# KiCad board ludeled.kicad_pcb
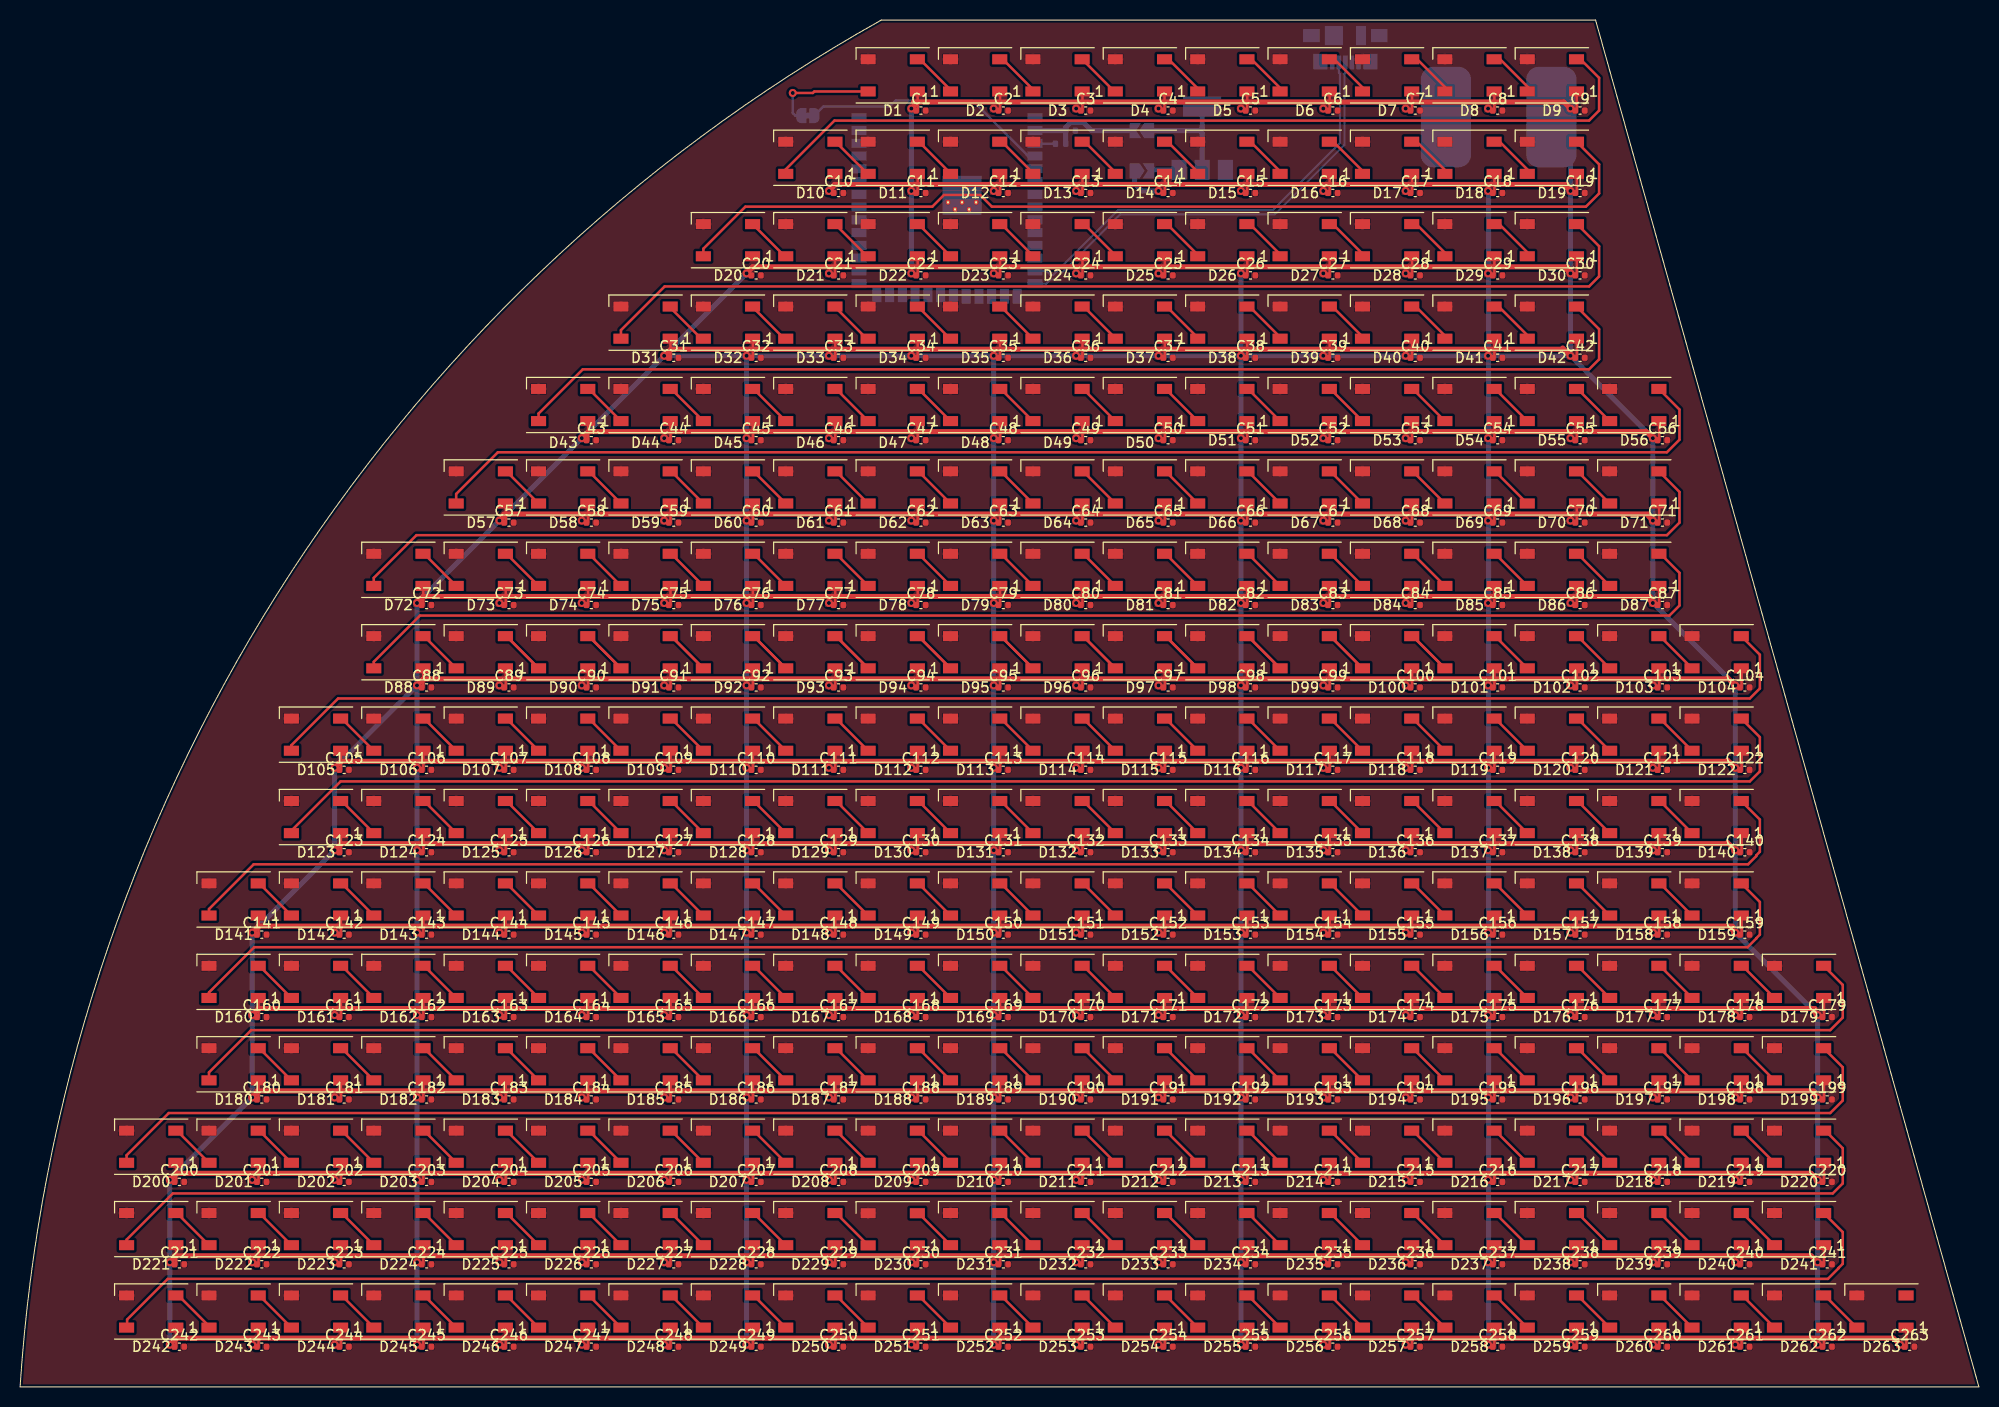
[diagram p0: board, top side]
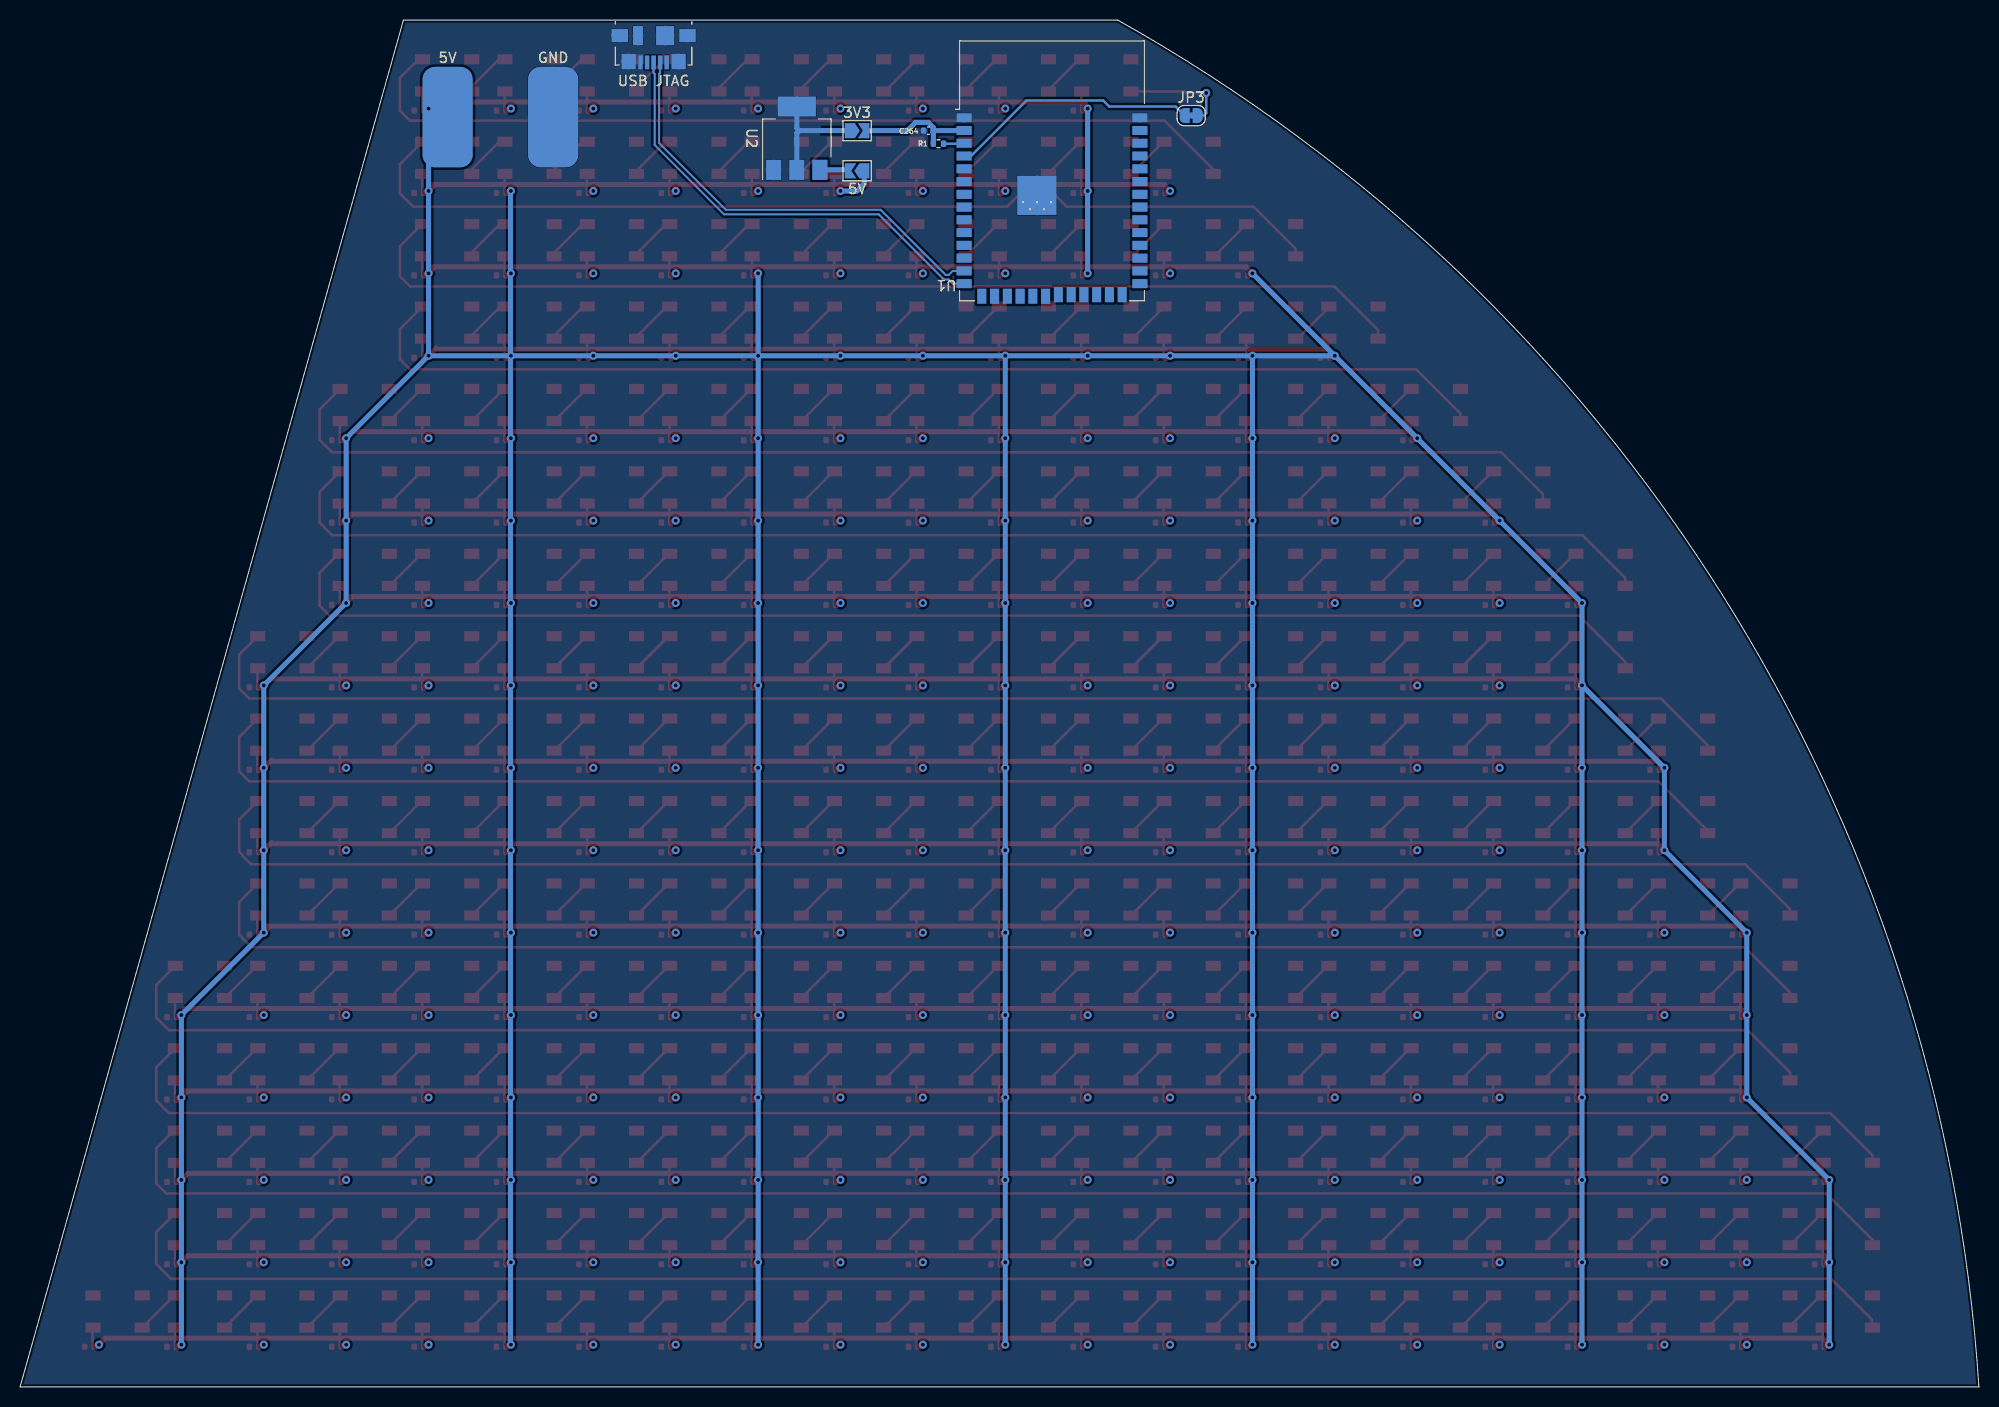
[diagram p1: board, bottom side, seen from below]

Outline 194.95 x 136 mm; copper layers: Top, Bottom. Coordinates in mm from the lower left corner of the outline.
Outline path: 0,0 arc(25.58,78.88) 85.7,136 156.8,136 194.95,0 0,0
Stack: Top 0.035mm / dielectric 1.51mm FR4 er 4.5 / Bottom 0.035mm

## Placement (name value [footprint] x y rotation side)
3V3  SolderJumper_2_Open  [SolderJumper-2_P1.3mm_Open_TrianglePad1.0x1.5mm]  111.65 125 180 bottom
5V  Conn_01x01_Female  [SolderWirePad_1x01_SMD_5x10mm]  152.4 126.35 180 bottom
5V#2  SolderJumper_2_Open  [SolderJumper-2_P1.3mm_Open_TrianglePad1.0x1.5mm]  111.65 121 0 bottom
C1  100nF  [C_0402_1005Metric]  89.65 127 0 top
C2  100nF  [C_0402_1005Metric]  97.85 127 0 top
C3  100nF  [C_0402_1005Metric]  106.05 127 0 top
C4  100nF  [C_0402_1005Metric]  114.25 127 0 top
C5  100nF  [C_0402_1005Metric]  122.45 127 0 top
C6  100nF  [C_0402_1005Metric]  130.65 127 0 top
C7  100nF  [C_0402_1005Metric]  138.85 127 0 top
C8  100nF  [C_0402_1005Metric]  147.05 127 0 top
C9  100nF  [C_0402_1005Metric]  155.25 127 0 top
C10  100nF  [C_0402_1005Metric]  81.45 118.8 0 top
C11  100nF  [C_0402_1005Metric]  89.65 118.8 0 top
C12  100nF  [C_0402_1005Metric]  97.85 118.8 0 top
C13  100nF  [C_0402_1005Metric]  106.05 118.8 0 top
C14  100nF  [C_0402_1005Metric]  114.25 118.8 0 top
C15  100nF  [C_0402_1005Metric]  122.45 118.8 0 top
C16  100nF  [C_0402_1005Metric]  130.65 118.8 0 top
C17  100nF  [C_0402_1005Metric]  138.85 118.8 0 top
C18  100nF  [C_0402_1005Metric]  147.05 118.8 0 top
C19  100nF  [C_0402_1005Metric]  155.25 118.8 0 top
C20  100nF  [C_0402_1005Metric]  73.25 110.6 0 top
C21  100nF  [C_0402_1005Metric]  81.45 110.6 0 top
C22  100nF  [C_0402_1005Metric]  89.65 110.6 0 top
C23  100nF  [C_0402_1005Metric]  97.85 110.6 0 top
C24  100nF  [C_0402_1005Metric]  106.05 110.6 0 top
C25  100nF  [C_0402_1005Metric]  114.25 110.6 0 top
C26  100nF  [C_0402_1005Metric]  122.45 110.6 0 top
C27  100nF  [C_0402_1005Metric]  130.65 110.6 0 top
C28  100nF  [C_0402_1005Metric]  138.85 110.6 0 top
C29  100nF  [C_0402_1005Metric]  147.05 110.6 0 top
C30  100nF  [C_0402_1005Metric]  155.25 110.6 0 top
C31  100nF  [C_0402_1005Metric]  65.05 102.4 0 top
C32  100nF  [C_0402_1005Metric]  73.25 102.4 0 top
C33  100nF  [C_0402_1005Metric]  81.45 102.4 0 top
C34  100nF  [C_0402_1005Metric]  89.65 102.4 0 top
C35  100nF  [C_0402_1005Metric]  97.85 102.4 0 top
C36  100nF  [C_0402_1005Metric]  106.05 102.4 0 top
C37  100nF  [C_0402_1005Metric]  114.25 102.4 0 top
C38  100nF  [C_0402_1005Metric]  122.45 102.4 0 top
C39  100nF  [C_0402_1005Metric]  130.65 102.4 0 top
C40  100nF  [C_0402_1005Metric]  138.85 102.4 0 top
C41  100nF  [C_0402_1005Metric]  147.05 102.4 0 top
C42  100nF  [C_0402_1005Metric]  155.25 102.4 0 top
C43  100nF  [C_0402_1005Metric]  56.85 94.2 0 top
C44  100nF  [C_0402_1005Metric]  65.05 94.2 0 top
C45  100nF  [C_0402_1005Metric]  73.25 94.2 0 top
C46  100nF  [C_0402_1005Metric]  81.45 94.2 0 top
C47  100nF  [C_0402_1005Metric]  89.65 94.2 0 top
C48  100nF  [C_0402_1005Metric]  97.85 94.2 0 top
C49  100nF  [C_0402_1005Metric]  106.05 94.2 0 top
C50  100nF  [C_0402_1005Metric]  114.25 94.2 0 top
C51  100nF  [C_0402_1005Metric]  122.45 94.2 0 top
C52  100nF  [C_0402_1005Metric]  130.65 94.2 0 top
C53  100nF  [C_0402_1005Metric]  138.85 94.2 0 top
C54  100nF  [C_0402_1005Metric]  147.05 94.2 0 top
C55  100nF  [C_0402_1005Metric]  155.25 94.2 0 top
C56  100nF  [C_0402_1005Metric]  163.45 94.2 0 top
C57  100nF  [C_0402_1005Metric]  48.65 86 0 top
C58  100nF  [C_0402_1005Metric]  56.85 86 0 top
C59  100nF  [C_0402_1005Metric]  65.05 86 0 top
C60  100nF  [C_0402_1005Metric]  73.25 86 0 top
C61  100nF  [C_0402_1005Metric]  81.45 86 0 top
C62  100nF  [C_0402_1005Metric]  89.65 86 0 top
C63  100nF  [C_0402_1005Metric]  97.85 86 0 top
C64  100nF  [C_0402_1005Metric]  106.05 86 0 top
C65  100nF  [C_0402_1005Metric]  114.25 86 0 top
C66  100nF  [C_0402_1005Metric]  122.45 86 0 top
C67  100nF  [C_0402_1005Metric]  130.65 86 0 top
C68  100nF  [C_0402_1005Metric]  138.85 86 0 top
C69  100nF  [C_0402_1005Metric]  147.05 86 0 top
C70  100nF  [C_0402_1005Metric]  155.25 86 0 top
C71  100nF  [C_0402_1005Metric]  163.45 86 0 top
C72  100nF  [C_0402_1005Metric]  40.45 77.8 0 top
C73  100nF  [C_0402_1005Metric]  48.65 77.8 0 top
C74  100nF  [C_0402_1005Metric]  56.85 77.8 0 top
C75  100nF  [C_0402_1005Metric]  65.05 77.8 0 top
C76  100nF  [C_0402_1005Metric]  73.25 77.8 0 top
C77  100nF  [C_0402_1005Metric]  81.45 77.8 0 top
C78  100nF  [C_0402_1005Metric]  89.65 77.8 0 top
C79  100nF  [C_0402_1005Metric]  97.85 77.8 0 top
C80  100nF  [C_0402_1005Metric]  106.05 77.8 0 top
C81  100nF  [C_0402_1005Metric]  114.25 77.8 0 top
C82  100nF  [C_0402_1005Metric]  122.45 77.8 0 top
C83  100nF  [C_0402_1005Metric]  130.65 77.8 0 top
C84  100nF  [C_0402_1005Metric]  138.85 77.8 0 top
C85  100nF  [C_0402_1005Metric]  147.05 77.8 0 top
C86  100nF  [C_0402_1005Metric]  155.25 77.8 0 top
C87  100nF  [C_0402_1005Metric]  163.45 77.8 0 top
C88  100nF  [C_0402_1005Metric]  40.45 69.6 0 top
C89  100nF  [C_0402_1005Metric]  48.65 69.6 0 top
C90  100nF  [C_0402_1005Metric]  56.85 69.6 0 top
C91  100nF  [C_0402_1005Metric]  65.05 69.6 0 top
C92  100nF  [C_0402_1005Metric]  73.25 69.6 0 top
C93  100nF  [C_0402_1005Metric]  81.45 69.6 0 top
C94  100nF  [C_0402_1005Metric]  89.65 69.6 0 top
C95  100nF  [C_0402_1005Metric]  97.85 69.6 0 top
C96  100nF  [C_0402_1005Metric]  106.05 69.6 0 top
C97  100nF  [C_0402_1005Metric]  114.25 69.6 0 top
C98  100nF  [C_0402_1005Metric]  122.45 69.6 0 top
C99  100nF  [C_0402_1005Metric]  130.65 69.6 0 top
C100  100nF  [C_0402_1005Metric]  138.85 69.6 0 top
C101  100nF  [C_0402_1005Metric]  147.05 69.6 0 top
C102  100nF  [C_0402_1005Metric]  155.25 69.6 0 top
C103  100nF  [C_0402_1005Metric]  163.45 69.6 0 top
C104  100nF  [C_0402_1005Metric]  171.65 69.6 0 top
C105  100nF  [C_0402_1005Metric]  32.25 61.4 0 top
C106  100nF  [C_0402_1005Metric]  40.45 61.4 0 top
C107  100nF  [C_0402_1005Metric]  48.65 61.4 0 top
C108  100nF  [C_0402_1005Metric]  56.85 61.4 0 top
C109  100nF  [C_0402_1005Metric]  65.05 61.4 0 top
C110  100nF  [C_0402_1005Metric]  73.25 61.4 0 top
C111  100nF  [C_0402_1005Metric]  81.45 61.4 0 top
C112  100nF  [C_0402_1005Metric]  89.65 61.4 0 top
C113  100nF  [C_0402_1005Metric]  97.85 61.4 0 top
C114  100nF  [C_0402_1005Metric]  106.05 61.4 0 top
C115  100nF  [C_0402_1005Metric]  114.25 61.4 0 top
C116  100nF  [C_0402_1005Metric]  122.45 61.4 0 top
C117  100nF  [C_0402_1005Metric]  130.65 61.4 0 top
C118  100nF  [C_0402_1005Metric]  138.85 61.4 0 top
C119  100nF  [C_0402_1005Metric]  147.05 61.4 0 top
C120  100nF  [C_0402_1005Metric]  155.25 61.4 0 top
C121  100nF  [C_0402_1005Metric]  163.45 61.4 0 top
C122  100nF  [C_0402_1005Metric]  171.65 61.4 0 top
C123  100nF  [C_0402_1005Metric]  32.25 53.2 0 top
C124  100nF  [C_0402_1005Metric]  40.45 53.2 0 top
C125  100nF  [C_0402_1005Metric]  48.65 53.2 0 top
C126  100nF  [C_0402_1005Metric]  56.85 53.2 0 top
C127  100nF  [C_0402_1005Metric]  65.05 53.2 0 top
C128  100nF  [C_0402_1005Metric]  73.25 53.2 0 top
C129  100nF  [C_0402_1005Metric]  81.45 53.2 0 top
C130  100nF  [C_0402_1005Metric]  89.65 53.2 0 top
C131  100nF  [C_0402_1005Metric]  97.85 53.2 0 top
C132  100nF  [C_0402_1005Metric]  106.05 53.2 0 top
C133  100nF  [C_0402_1005Metric]  114.25 53.2 0 top
C134  100nF  [C_0402_1005Metric]  122.45 53.2 0 top
C135  100nF  [C_0402_1005Metric]  130.65 53.2 0 top
C136  100nF  [C_0402_1005Metric]  138.85 53.2 0 top
C137  100nF  [C_0402_1005Metric]  147.05 53.2 0 top
C138  100nF  [C_0402_1005Metric]  155.25 53.2 0 top
C139  100nF  [C_0402_1005Metric]  163.45 53.2 0 top
C140  100nF  [C_0402_1005Metric]  171.65 53.2 0 top
C141  100nF  [C_0402_1005Metric]  24.05 45 0 top
C142  100nF  [C_0402_1005Metric]  32.25 45 0 top
C143  100nF  [C_0402_1005Metric]  40.45 45 0 top
C144  100nF  [C_0402_1005Metric]  48.65 45 0 top
C145  100nF  [C_0402_1005Metric]  56.85 45 0 top
C146  100nF  [C_0402_1005Metric]  65.05 45 0 top
C147  100nF  [C_0402_1005Metric]  73.25 45 0 top
C148  100nF  [C_0402_1005Metric]  81.45 45 0 top
C149  100nF  [C_0402_1005Metric]  89.65 45 0 top
C150  100nF  [C_0402_1005Metric]  97.85 45 0 top
C151  100nF  [C_0402_1005Metric]  106.05 45 0 top
C152  100nF  [C_0402_1005Metric]  114.25 45 0 top
C153  100nF  [C_0402_1005Metric]  122.45 45 0 top
C154  100nF  [C_0402_1005Metric]  130.65 45 0 top
C155  100nF  [C_0402_1005Metric]  138.85 45 0 top
C156  100nF  [C_0402_1005Metric]  147.05 45 0 top
C157  100nF  [C_0402_1005Metric]  155.25 45 0 top
C158  100nF  [C_0402_1005Metric]  163.45 45 0 top
C159  100nF  [C_0402_1005Metric]  171.65 45 0 top
C160  100nF  [C_0402_1005Metric]  24.05 36.8 0 top
C161  100nF  [C_0402_1005Metric]  32.25 36.8 0 top
C162  100nF  [C_0402_1005Metric]  40.45 36.8 0 top
C163  100nF  [C_0402_1005Metric]  48.65 36.8 0 top
C164  100nF  [C_0402_1005Metric]  56.85 36.8 0 top
C165  100nF  [C_0402_1005Metric]  65.05 36.8 0 top
C166  100nF  [C_0402_1005Metric]  73.25 36.8 0 top
C167  100nF  [C_0402_1005Metric]  81.45 36.8 0 top
C168  100nF  [C_0402_1005Metric]  89.65 36.8 0 top
C169  100nF  [C_0402_1005Metric]  97.85 36.8 0 top
C170  100nF  [C_0402_1005Metric]  106.05 36.8 0 top
C171  100nF  [C_0402_1005Metric]  114.25 36.8 0 top
C172  100nF  [C_0402_1005Metric]  122.45 36.8 0 top
C173  100nF  [C_0402_1005Metric]  130.65 36.8 0 top
C174  100nF  [C_0402_1005Metric]  138.85 36.8 0 top
C175  100nF  [C_0402_1005Metric]  147.05 36.8 0 top
C176  100nF  [C_0402_1005Metric]  155.25 36.8 0 top
C177  100nF  [C_0402_1005Metric]  163.45 36.8 0 top
C178  100nF  [C_0402_1005Metric]  171.65 36.8 0 top
C179  100nF  [C_0402_1005Metric]  179.85 36.8 0 top
C180  100nF  [C_0402_1005Metric]  24.05 28.6 0 top
C181  100nF  [C_0402_1005Metric]  32.25 28.6 0 top
C182  100nF  [C_0402_1005Metric]  40.45 28.6 0 top
C183  100nF  [C_0402_1005Metric]  48.65 28.6 0 top
C184  100nF  [C_0402_1005Metric]  56.85 28.6 0 top
C185  100nF  [C_0402_1005Metric]  65.05 28.6 0 top
C186  100nF  [C_0402_1005Metric]  73.25 28.6 0 top
C187  100nF  [C_0402_1005Metric]  81.45 28.6 0 top
C188  100nF  [C_0402_1005Metric]  89.65 28.6 0 top
C189  100nF  [C_0402_1005Metric]  97.85 28.6 0 top
C190  100nF  [C_0402_1005Metric]  106.05 28.6 0 top
C191  100nF  [C_0402_1005Metric]  114.25 28.6 0 top
C192  100nF  [C_0402_1005Metric]  122.45 28.6 0 top
C193  100nF  [C_0402_1005Metric]  130.65 28.6 0 top
C194  100nF  [C_0402_1005Metric]  138.85 28.6 0 top
C195  100nF  [C_0402_1005Metric]  147.05 28.6 0 top
C196  100nF  [C_0402_1005Metric]  155.25 28.6 0 top
C197  100nF  [C_0402_1005Metric]  163.45 28.6 0 top
C198  100nF  [C_0402_1005Metric]  171.65 28.6 0 top
C199  100nF  [C_0402_1005Metric]  179.85 28.6 0 top
C200  100nF  [C_0402_1005Metric]  15.85 20.4 0 top
C201  100nF  [C_0402_1005Metric]  24.05 20.4 0 top
C202  100nF  [C_0402_1005Metric]  32.25 20.4 0 top
C203  100nF  [C_0402_1005Metric]  40.45 20.4 0 top
C204  100nF  [C_0402_1005Metric]  48.65 20.4 0 top
C205  100nF  [C_0402_1005Metric]  56.85 20.4 0 top
C206  100nF  [C_0402_1005Metric]  65.05 20.4 0 top
C207  100nF  [C_0402_1005Metric]  73.25 20.4 0 top
C208  100nF  [C_0402_1005Metric]  81.45 20.4 0 top
C209  100nF  [C_0402_1005Metric]  89.65 20.4 0 top
C210  100nF  [C_0402_1005Metric]  97.85 20.4 0 top
C211  100nF  [C_0402_1005Metric]  106.05 20.4 0 top
C212  100nF  [C_0402_1005Metric]  114.25 20.4 0 top
C213  100nF  [C_0402_1005Metric]  122.45 20.4 0 top
C214  100nF  [C_0402_1005Metric]  130.65 20.4 0 top
C215  100nF  [C_0402_1005Metric]  138.85 20.4 0 top
C216  100nF  [C_0402_1005Metric]  147.05 20.4 0 top
C217  100nF  [C_0402_1005Metric]  155.25 20.4 0 top
C218  100nF  [C_0402_1005Metric]  163.45 20.4 0 top
C219  100nF  [C_0402_1005Metric]  171.65 20.4 0 top
C220  100nF  [C_0402_1005Metric]  179.85 20.4 0 top
C221  100nF  [C_0402_1005Metric]  15.85 12.2 0 top
C222  100nF  [C_0402_1005Metric]  24.05 12.2 0 top
C223  100nF  [C_0402_1005Metric]  32.25 12.2 0 top
C224  100nF  [C_0402_1005Metric]  40.45 12.2 0 top
C225  100nF  [C_0402_1005Metric]  48.65 12.2 0 top
C226  100nF  [C_0402_1005Metric]  56.85 12.2 0 top
C227  100nF  [C_0402_1005Metric]  65.05 12.2 0 top
C228  100nF  [C_0402_1005Metric]  73.25 12.2 0 top
C229  100nF  [C_0402_1005Metric]  81.45 12.2 0 top
C230  100nF  [C_0402_1005Metric]  89.65 12.2 0 top
C231  100nF  [C_0402_1005Metric]  97.85 12.2 0 top
C232  100nF  [C_0402_1005Metric]  106.05 12.2 0 top
C233  100nF  [C_0402_1005Metric]  114.25 12.2 0 top
C234  100nF  [C_0402_1005Metric]  122.45 12.2 0 top
C235  100nF  [C_0402_1005Metric]  130.65 12.2 0 top
C236  100nF  [C_0402_1005Metric]  138.85 12.2 0 top
C237  100nF  [C_0402_1005Metric]  147.05 12.2 0 top
C238  100nF  [C_0402_1005Metric]  155.25 12.2 0 top
C239  100nF  [C_0402_1005Metric]  163.45 12.2 0 top
C240  100nF  [C_0402_1005Metric]  171.65 12.2 0 top
C241  100nF  [C_0402_1005Metric]  179.85 12.2 0 top
C242  100nF  [C_0402_1005Metric]  15.85 4 0 top
C243  100nF  [C_0402_1005Metric]  24.05 4 0 top
C244  100nF  [C_0402_1005Metric]  32.25 4 0 top
C245  100nF  [C_0402_1005Metric]  40.45 4 0 top
C246  100nF  [C_0402_1005Metric]  48.65 4 0 top
C247  100nF  [C_0402_1005Metric]  56.85 4 0 top
C248  100nF  [C_0402_1005Metric]  65.05 4 0 top
C249  100nF  [C_0402_1005Metric]  73.25 4 0 top
C250  100nF  [C_0402_1005Metric]  81.45 4 0 top
C251  100nF  [C_0402_1005Metric]  89.65 4 0 top
C252  100nF  [C_0402_1005Metric]  97.85 4 0 top
C253  100nF  [C_0402_1005Metric]  106.05 4 0 top
C254  100nF  [C_0402_1005Metric]  114.25 4 0 top
C255  100nF  [C_0402_1005Metric]  122.45 4 0 top
C256  100nF  [C_0402_1005Metric]  130.65 4 0 top
C257  100nF  [C_0402_1005Metric]  138.85 4 0 top
C258  100nF  [C_0402_1005Metric]  147.05 4 0 top
C259  100nF  [C_0402_1005Metric]  155.25 4 0 top
C260  100nF  [C_0402_1005Metric]  163.45 4 0 top
C261  100nF  [C_0402_1005Metric]  171.65 4 0 top
C262  100nF  [C_0402_1005Metric]  179.85 4 0 top
C263  100nF  [C_0402_1005Metric]  188.05 4 0 top
C264  10uF  [C_0402_1005Metric]  104.55 125 0 bottom
D1  WS2812B  [LED_WS2812B_PLCC4_5.0x5.0mm_P3.2mm]  86.85 130.5 180 top
D2  WS2812B  [LED_WS2812B_PLCC4_5.0x5.0mm_P3.2mm]  95.05 130.5 180 top
D3  WS2812B  [LED_WS2812B_PLCC4_5.0x5.0mm_P3.2mm]  103.25 130.5 180 top
D4  WS2812B  [LED_WS2812B_PLCC4_5.0x5.0mm_P3.2mm]  111.45 130.5 180 top
D5  WS2812B  [LED_WS2812B_PLCC4_5.0x5.0mm_P3.2mm]  119.65 130.5 180 top
D6  WS2812B  [LED_WS2812B_PLCC4_5.0x5.0mm_P3.2mm]  127.85 130.5 180 top
D7  WS2812B  [LED_WS2812B_PLCC4_5.0x5.0mm_P3.2mm]  136.05 130.5 180 top
D8  WS2812B  [LED_WS2812B_PLCC4_5.0x5.0mm_P3.2mm]  144.25 130.5 180 top
D9  WS2812B  [LED_WS2812B_PLCC4_5.0x5.0mm_P3.2mm]  152.45 130.5 180 top
D10  WS2812B  [LED_WS2812B_PLCC4_5.0x5.0mm_P3.2mm]  78.65 122.3 180 top
D11  WS2812B  [LED_WS2812B_PLCC4_5.0x5.0mm_P3.2mm]  86.85 122.3 180 top
D12  WS2812B  [LED_WS2812B_PLCC4_5.0x5.0mm_P3.2mm]  95.05 122.3 180 top
D13  WS2812B  [LED_WS2812B_PLCC4_5.0x5.0mm_P3.2mm]  103.25 122.3 180 top
D14  WS2812B  [LED_WS2812B_PLCC4_5.0x5.0mm_P3.2mm]  111.45 122.3 180 top
D15  WS2812B  [LED_WS2812B_PLCC4_5.0x5.0mm_P3.2mm]  119.65 122.3 180 top
D16  WS2812B  [LED_WS2812B_PLCC4_5.0x5.0mm_P3.2mm]  127.85 122.3 180 top
D17  WS2812B  [LED_WS2812B_PLCC4_5.0x5.0mm_P3.2mm]  136.05 122.3 180 top
D18  WS2812B  [LED_WS2812B_PLCC4_5.0x5.0mm_P3.2mm]  144.25 122.3 180 top
D19  WS2812B  [LED_WS2812B_PLCC4_5.0x5.0mm_P3.2mm]  152.45 122.3 180 top
D20  WS2812B  [LED_WS2812B_PLCC4_5.0x5.0mm_P3.2mm]  70.45 114.1 180 top
D21  WS2812B  [LED_WS2812B_PLCC4_5.0x5.0mm_P3.2mm]  78.65 114.1 180 top
D22  WS2812B  [LED_WS2812B_PLCC4_5.0x5.0mm_P3.2mm]  86.85 114.1 180 top
D23  WS2812B  [LED_WS2812B_PLCC4_5.0x5.0mm_P3.2mm]  95.05 114.1 180 top
D24  WS2812B  [LED_WS2812B_PLCC4_5.0x5.0mm_P3.2mm]  103.25 114.1 180 top
D25  WS2812B  [LED_WS2812B_PLCC4_5.0x5.0mm_P3.2mm]  111.45 114.1 180 top
D26  WS2812B  [LED_WS2812B_PLCC4_5.0x5.0mm_P3.2mm]  119.65 114.1 180 top
D27  WS2812B  [LED_WS2812B_PLCC4_5.0x5.0mm_P3.2mm]  127.85 114.1 180 top
D28  WS2812B  [LED_WS2812B_PLCC4_5.0x5.0mm_P3.2mm]  136.05 114.1 180 top
D29  WS2812B  [LED_WS2812B_PLCC4_5.0x5.0mm_P3.2mm]  144.25 114.1 180 top
D30  WS2812B  [LED_WS2812B_PLCC4_5.0x5.0mm_P3.2mm]  152.45 114.1 180 top
D31  WS2812B  [LED_WS2812B_PLCC4_5.0x5.0mm_P3.2mm]  62.25 105.9 180 top
D32  WS2812B  [LED_WS2812B_PLCC4_5.0x5.0mm_P3.2mm]  70.45 105.9 180 top
D33  WS2812B  [LED_WS2812B_PLCC4_5.0x5.0mm_P3.2mm]  78.65 105.9 180 top
D34  WS2812B  [LED_WS2812B_PLCC4_5.0x5.0mm_P3.2mm]  86.85 105.9 180 top
D35  WS2812B  [LED_WS2812B_PLCC4_5.0x5.0mm_P3.2mm]  95.05 105.9 180 top
D36  WS2812B  [LED_WS2812B_PLCC4_5.0x5.0mm_P3.2mm]  103.25 105.9 180 top
D37  WS2812B  [LED_WS2812B_PLCC4_5.0x5.0mm_P3.2mm]  111.45 105.9 180 top
D38  WS2812B  [LED_WS2812B_PLCC4_5.0x5.0mm_P3.2mm]  119.65 105.9 180 top
D39  WS2812B  [LED_WS2812B_PLCC4_5.0x5.0mm_P3.2mm]  127.85 105.9 180 top
D40  WS2812B  [LED_WS2812B_PLCC4_5.0x5.0mm_P3.2mm]  136.05 105.9 180 top
D41  WS2812B  [LED_WS2812B_PLCC4_5.0x5.0mm_P3.2mm]  144.25 105.9 180 top
D42  WS2812B  [LED_WS2812B_PLCC4_5.0x5.0mm_P3.2mm]  152.45 105.9 180 top
D43  WS2812B  [LED_WS2812B_PLCC4_5.0x5.0mm_P3.2mm]  54.05 97.7 180 top
D44  WS2812B  [LED_WS2812B_PLCC4_5.0x5.0mm_P3.2mm]  62.25 97.7 180 top
D45  WS2812B  [LED_WS2812B_PLCC4_5.0x5.0mm_P3.2mm]  70.45 97.7 180 top
D46  WS2812B  [LED_WS2812B_PLCC4_5.0x5.0mm_P3.2mm]  78.65 97.7 180 top
D47  WS2812B  [LED_WS2812B_PLCC4_5.0x5.0mm_P3.2mm]  86.85 97.7 180 top
D48  WS2812B  [LED_WS2812B_PLCC4_5.0x5.0mm_P3.2mm]  95.05 97.7 180 top
D49  WS2812B  [LED_WS2812B_PLCC4_5.0x5.0mm_P3.2mm]  103.25 97.7 180 top
D50  WS2812B  [LED_WS2812B_PLCC4_5.0x5.0mm_P3.2mm]  111.45 97.7 180 top
D51  WS2812B  [LED_WS2812B_PLCC4_5.0x5.0mm_P3.2mm]  119.65 97.7 180 top
D52  WS2812B  [LED_WS2812B_PLCC4_5.0x5.0mm_P3.2mm]  127.85 97.7 180 top
D53  WS2812B  [LED_WS2812B_PLCC4_5.0x5.0mm_P3.2mm]  136.05 97.7 180 top
D54  WS2812B  [LED_WS2812B_PLCC4_5.0x5.0mm_P3.2mm]  144.25 97.7 180 top
D55  WS2812B  [LED_WS2812B_PLCC4_5.0x5.0mm_P3.2mm]  152.45 97.7 180 top
D56  WS2812B  [LED_WS2812B_PLCC4_5.0x5.0mm_P3.2mm]  160.65 97.7 180 top
D57  WS2812B  [LED_WS2812B_PLCC4_5.0x5.0mm_P3.2mm]  45.85 89.5 180 top
D58  WS2812B  [LED_WS2812B_PLCC4_5.0x5.0mm_P3.2mm]  54.05 89.5 180 top
D59  WS2812B  [LED_WS2812B_PLCC4_5.0x5.0mm_P3.2mm]  62.25 89.5 180 top
D60  WS2812B  [LED_WS2812B_PLCC4_5.0x5.0mm_P3.2mm]  70.45 89.5 180 top
D61  WS2812B  [LED_WS2812B_PLCC4_5.0x5.0mm_P3.2mm]  78.65 89.5 180 top
D62  WS2812B  [LED_WS2812B_PLCC4_5.0x5.0mm_P3.2mm]  86.85 89.5 180 top
D63  WS2812B  [LED_WS2812B_PLCC4_5.0x5.0mm_P3.2mm]  95.05 89.5 180 top
D64  WS2812B  [LED_WS2812B_PLCC4_5.0x5.0mm_P3.2mm]  103.25 89.5 180 top
D65  WS2812B  [LED_WS2812B_PLCC4_5.0x5.0mm_P3.2mm]  111.45 89.5 180 top
D66  WS2812B  [LED_WS2812B_PLCC4_5.0x5.0mm_P3.2mm]  119.65 89.5 180 top
D67  WS2812B  [LED_WS2812B_PLCC4_5.0x5.0mm_P3.2mm]  127.85 89.5 180 top
D68  WS2812B  [LED_WS2812B_PLCC4_5.0x5.0mm_P3.2mm]  136.05 89.5 180 top
D69  WS2812B  [LED_WS2812B_PLCC4_5.0x5.0mm_P3.2mm]  144.25 89.5 180 top
D70  WS2812B  [LED_WS2812B_PLCC4_5.0x5.0mm_P3.2mm]  152.45 89.5 180 top
D71  WS2812B  [LED_WS2812B_PLCC4_5.0x5.0mm_P3.2mm]  160.65 89.5 180 top
D72  WS2812B  [LED_WS2812B_PLCC4_5.0x5.0mm_P3.2mm]  37.65 81.3 180 top
D73  WS2812B  [LED_WS2812B_PLCC4_5.0x5.0mm_P3.2mm]  45.85 81.3 180 top
D74  WS2812B  [LED_WS2812B_PLCC4_5.0x5.0mm_P3.2mm]  54.05 81.3 180 top
D75  WS2812B  [LED_WS2812B_PLCC4_5.0x5.0mm_P3.2mm]  62.25 81.3 180 top
D76  WS2812B  [LED_WS2812B_PLCC4_5.0x5.0mm_P3.2mm]  70.45 81.3 180 top
D77  WS2812B  [LED_WS2812B_PLCC4_5.0x5.0mm_P3.2mm]  78.65 81.3 180 top
D78  WS2812B  [LED_WS2812B_PLCC4_5.0x5.0mm_P3.2mm]  86.85 81.3 180 top
D79  WS2812B  [LED_WS2812B_PLCC4_5.0x5.0mm_P3.2mm]  95.05 81.3 180 top
D80  WS2812B  [LED_WS2812B_PLCC4_5.0x5.0mm_P3.2mm]  103.25 81.3 180 top
D81  WS2812B  [LED_WS2812B_PLCC4_5.0x5.0mm_P3.2mm]  111.45 81.3 180 top